# Altium PCB Video_Processing_Board.PcbDoc (part 2 of 3) (continued)
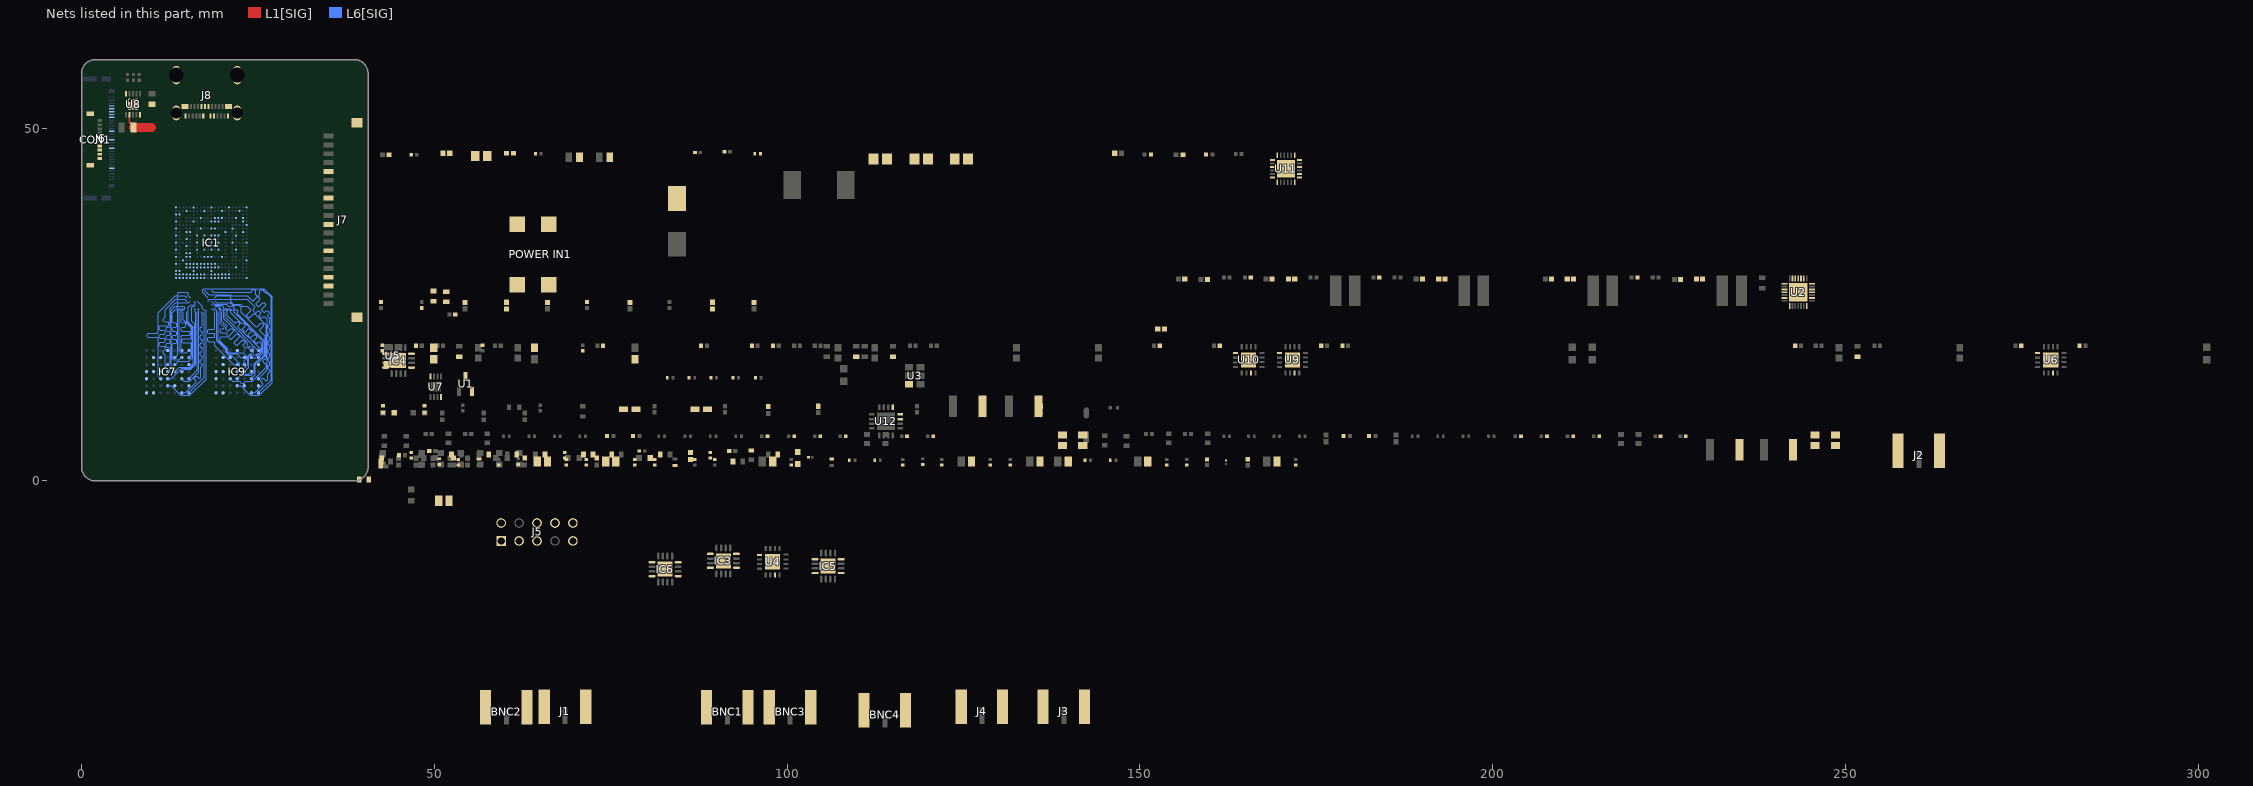
[diagram p2: the nets of this part, all layers, seen from the top]
## Part data (continued)
R4: library part CMP-2100-03662-2, "RES SMD 100K OHM 1% 1/10W 0603", Case Code (Imperial)=0603, Case Code (Metric)=1608, Max Operating Temperature=155°C, Max Power Dissipation=100mW, Min Operating Temperature=-55°C, Resistance=100kR, Resistance Tolerance=1%, Resistor Type="Thick Film", Temperature Coefficient=100ppm/°C, Voltage Rating=50V, Working Voltage=75V, Case/Package=0603, Construction=Rectangular, Depth=0.8mm, Features="Moisture Resistant", Height=0.45mm, Lead Free="Lead Free", Length=1.6mm, Military Standard=Not, Number of Pins=2, Number of Terminations=2, Packaging="Tape and Reel", Power Rating=100mW, REACH SVHC="No SVHC", RoHS Compliant=Yes, Series=RC, Technology="THICK FILM", Termination=SMD/SMT, Tolerance=1%, Voltage Rating (DC)=50V, Width=0.8mm
R5 R43 R49 R51: library part CMP-1659-00009-5, "RES 1K OHM 1% 1/10W 0603", Case Code (Imperial)=0603, Case Code (Metric)=1608, Max Operating Temperature=155°C, Max Power Dissipation=100mW, Min Operating Temperature=-55°C, Resistance=1kR, Resistance Tolerance=1%, Resistor Type="Thick Film", Temperature Coefficient=100ppm/°C, Voltage Rating=50V, Case/Package=0603, Construction=Rectangular, Contact Plating=Tin, Depth=0.8mm, Features="Moisture Resistant", Height=0.45mm, Lead Free="Lead Free", Length=1.6mm, Military Standard=Not, Number of Terminations=2, Packaging="Tape and Reel", Power Rating=100mW, Radiation Hardening=No, REACH SVHC="No SVHC", RoHS Compliant=Yes, Series=RC, Size Code=0603, Technology="THICK FILM", Termination=SMD/SMT, Tolerance=1%
R6 R63 R67 R79: library part CMP-2002-07353-1, Manufacturer="Yageo / Phycomp", Parameter 3=10k, Parameter 4=0402, Part Number=RC0402FR-0710KL
R7: library part CMP-2002-07501-1, Manufacturer="Yageo / Phycomp", Parameter 3=20k, Parameter 4=0402, Part Number=RC0402FR-0720KL
R8: Package=None, Availability=Unavailable, MP=RN73H1ETTP1452F25, Parameter 1=14.5k, Parameter 2=0402, Parameter 3=14.5k, Parameter 4=0402, Price=None
R10 R55: library part CMP-2002-07533-1, Manufacturer=Yageo, Parameter 3=24.3k, Parameter 4=0402, Part Number=RC0402FR-0724K3L
R12: library part CMP-2000-06942-1, "Chip Resistor, 4.7 KOhm, +/- 1%, 0.1 W, -55 to 155 degC, 0603 (1608 Metric), RoHS, Tape and Reel", Case Code - in=0603, Case Code - mm=1608, Manufacturer=Yageo, Operating Temperature Range=-55Cto+155C, Package Description="2-Pin Surface Mount Device, Body 1.6 x 0.8 mm", Power Rating=100mW, Resistance=4.7kOhms, Temperature Coefficient=100PPM/C, Tolerance=1%, Voltage Rating=50V, Datasheet URL=http://www.yageo.com/documents/recent/PYu-RC_Group_51_RoHS_L_7.pdf, Datasheet Version="Rev. 7, 05/2017", Manufacturer URL=http://www.yageo.com/, Mounting Technology=SurfaceMount, Package Reference=0603, Packaging=Reel, Product=ThickFilmResistorsGeneralPurpose, Series=RC, Termination Style=SMD/SMT
R13 R14 R16 R17 R34 R39 R47 R48: library part ERJ3EK, "Precision Thick Film Chip Resistor, 10 Ohm to 1M Ohm Range, 1% and 0.5% Tolerance, 0603 Size, 0.063 W", PackageDocument=Mar-2003, Code_IPC="1608 [0603]", ComponentLink1Description="Manufacturer Link", ComponentLink1URL=http://www.panasonic.com/industrial/components/resistive_products.htm, ComponentLink2Description=Datasheet, ComponentLink2URL=http://www.panasonic.com/industrial/components/pdf/AOA0000CE2.pdf, LatestRevisionDate=19-Mar-2004, LatestRevisionNote="Silkscreen size reduced.", PackageReference=3-0603, Published=17-Dec-2003, Publisher="Altium Limited", Simulation ModelName=RESISTOR, Simulation PortMap=(1:1),(2:2)
R15 R25 R28 R38 R40 R50: library part CMP-1011-00001-2, Manufacturer="Yageo / Phycomp", Part Number=RC0402JR-070RL
R18 R19 R32 R33: library part CMP-2000-00180-1, Manufacturer=Panasonic, Part Number=ERJ-3EKF1001V
R20 R23 R24 R26 R27 R29 R30 R31: library part CMP-2002-05954-1, Manufacturer=Multicomp, Part Number=MC00625W0402115R
R21 R22 R35 R37: library part CMP-2002-01061-2, "RES SMD 75 OHM 1% 1/10W 0402", Case Code (Imperial)=0402, Case Code (Metric)=1005, Max Operating Temperature=155°C, Max Power Dissipation=100mW, Min Operating Temperature=-55°C, Package Quantity=1, Resistance Tolerance=1%, Resistor Type="Thick Film", Temperature Coefficient=100ppm/°C, Voltage Rating=50V, Case/Package=0402, Construction=Rectangular, Contact Plating=Tin, Depth=0.5mm, Features="Automotive AEC-Q200", Height=0.35mm, Lead Free="Lead Free", Length=1mm, Military Standard=Not, Mount="Surface Mount", Number of Terminations=2, Packaging="Tape and Reel", Power Rating=100mW, Radiation Hardening=No, REACH SVHC="No SVHC", Resistance=75R, RoHS Compliant=Yes, Series=ERJ, Size Code=0402, Technology="THICK FILM", Termination=SMD/SMT, Tolerance=1%, Voltage Rating (DC)=50V, Width=0.02inch
R36 R42 R44 R45 R46 R58 R59 RISE0 RISE1 RISE2 RISE3: library part CMP-2100-03664-2, "RES 10K OHM 1% 1/10W 0603", Case Code (Imperial)=0603, Case Code (Metric)=1608, Max Operating Temperature=155°C, Max Power Dissipation=100mW, Min Operating Temperature=-55°C, Resistance=10kR, Resistance Tolerance=1%, Resistor Type="Thick Film", Temperature Coefficient=100ppm/°C, Voltage Rating=75V, Voltage Rating (DC)=50V, Case/Package=0603, Construction=Rectangular, Depth=0.8mm, Features="Moisture Resistant", Height=0.45mm, Lead Free="Lead Free", Lead Pitch=0.3mm, Length=1.6mm, Military Standard=Not, Number of Pins=2, Number of Terminations=2, Packaging="Tape and Reel", Power Rating=100mW, RoHS Compliant=Yes, Series=RC, Size Code=0603, Termination=SMD/SMT, Tolerance=1%, Weight=7.1E-05oz, Width=0.8mm
R41: library part CMP-2002-07520-1, Manufacturer="Yageo / Phycomp", Part Number=RC0402FR-0722RL
R52 R53: library part CMP-2000-00179-1, Manufacturer=Panasonic, Manufacturer Part Number=ERJ3EKF1000V, Part Number=ERJ-3EKF1000V
R54: library part CMP-2001-04896-1, Manufacturer="Vishay Dale", Part Number=CRCW08050000Z0EA
R57 R61 R62: library part CMP-2002-01154-4, "Chip Resistor, 4.7 KOhm, +/- 1%, 0.1 W, -55 to 155 degC, 0402 (1005 Metric), RoHS, Tape and Reel", Case Code (Imperial)=0402, Case Code (Metric)=1005, Max Operating Temperature="155 degC", Min Operating Temperature="-55 degC", Package Quantity=1, PartNumber=ERJ-2RKF4701X, Power Rating="100 mW", Resistance="4.7 KOhm", Tolerance=1%, Voltage Rating="50 V", Case\/Package=0402, ComponentLink1Description="Manufacturer URL", ComponentLink1URL=http://www.panasonic.com/, ComponentLink2Description=Datasheet, ComponentLink2URL=http://industrial.panasonic.com/cdbs/www-data/pdf/RDA0000/AOA0000C86.pdf, DatasheetVersion=04/2015, Height="0.35 mm", Length="1 mm", Mount="Surface Mount", Mounting Technology="Surface Mount", PackageDescription="2-Pin Surface Mount Device, Body 1 x 0.5 mm", PackageReference=0402, Packaging="Cut Tape", Pins=2, Radiation Hardening=No, REACH SVHC=Yes, RoHSCompliant=true, Width="0.5 mm"
R60: library part CMP-2100-03667-1, "Chip Resistor, 0 Ohm, +/- 5%, 0.1 W, -55 to 155 degC, 0603 (1608 Metric), RoHS, Tape and Reel", Case Code (Imperial)=0603, Case Code (Metric)=1608, Manufacturer=Yageo, Max Operating Temperature=155degC, Min Operating Temperature=-55degC, Package Description="2-Pin Surface Mount Device, Body 1.6 x 0.8 mm", Package Quantity=5000, Power Rating=100mW, Resistance=0mOhm, Temperature Coefficient=200ppm/degreesC, Tolerance=5%, Voltage Rating=50V, Case/Package=0603, Composition=ThickFilm, Contact Plating=Tin, Datasheet URL=http://www.yageo.com/NewPortal/yageodocoutput?fileName=/pdf/R-Chip/PYu-RC_Group_51_RoHS_L_5.pdf, Datasheet Version="Rev. 5, 10/2016", Depth=0.8mm, Height=0.45mm, Lead Free=LeadFree, Length=1.6mm, Manufacturer URL=http://www.yageo.com/, Military Standard=Not, Number of Pins=2, Package Reference=0603, Packaging=TapeandReel, Radiation Hardening=No, REACH SVHC=NoSVHC, RoHSCompliant=true, Termination=SMD/SMT, Voltage Rating (DC)=50V, Width=0.8mm
R64: library part CMP-2002-08356-2, "RES Thick Film, 20kΩ, 1%, 0.063W, 100ppm/°C, 0402", Case Code (Imperial)=0402, Case Code (Metric)=1005, Max Operating Temperature=155°C, Max Power Dissipation=63mW, Min Operating Temperature=-55°C, Package Quantity=10, Resistance=20kR, Temperature Coefficient=100ppm/°C, Tolerance=1%, Voltage Rating=50V, Case/Package=0402, Composition="Thick Film", Contact Plating=Tin, Depth=0.5mm, Features="Automotive AEC-Q200", Height=0.35mm, Lead Free="Lead Free", Length=1mm, Military Standard=Not, Mount="Surface Mount", Number of Pins=2, Number of Terminations=2, Packaging="Tape and Reel", Power Rating=63mW, Radiation Hardening=No, Termination=SMD/SMT, Voltage Rating (DC)=50V, Weight=2.3E-05oz, Width=0.5mm, Working Voltage=50V
R65: library part CMP-2002-08135-2, "RES SMD 10K OHM 1% 1/16W 0402", Case Code (Imperial)=0402, Case Code (Metric)=1005, Max Operating Temperature=155°C, Max Power Dissipation=63mW, Min Operating Temperature=-55°C, Package Quantity=10, Resistance=10kR, Temperature Coefficient=100ppm/°C, Tolerance=1%, Voltage Rating=50V, Case/Package=0402, Composition="Thick Film", Contact Plating=Tin, Depth=0.5mm, Features="Automotive AEC-Q200", Height=0.35mm, Lead Free="Lead Free", Length=1mm, Military Standard=Not, Mount="Surface Mount", Number of Pins=2, Number of Terminations=2, Packaging="Tape and Reel", Power Rating=63mW, Radiation Hardening=No, Termination=SMD/SMT, Voltage Rating (DC)=50V, Weight=2.3E-05oz, Width=0.02inch
R66: library part CMP-2002-00957-2, "RES SMD 47.5K OHM 1% 1/10W 0402", Case Code (Imperial)=0402, Case Code (Metric)=1005, Max Operating Temperature=155°C, Max Power Dissipation=100mW, Min Operating Temperature=-55°C, Package Quantity=1, Resistance=47.5kR, Resistance Tolerance=1%, Resistor Type="Thick Film", Temperature Coefficient=100ppm/°C, Voltage Rating=50V, Case/Package=0402, Construction=Rectangular, Contact Plating=Tin, Depth=0.5mm, Features="Automotive AEC-Q200", Height=0.35mm, Lead Free="Lead Free", Length=1mm, Military Standard=Not, Mount="Surface Mount", Number of Terminations=2, Packaging="Tape and Reel", Power Rating=100mW, REACH SVHC="No SVHC", RoHS Compliant=Yes, Series=ERJ, Size Code=0402, Technology="THICK FILM", Termination=SMD/SMT, Tolerance=1%, Voltage Rating (DC)=50V, Width=0.02inch
R68: library part CMP-2004-02509-1, Manufacturer=Multicomp, Part Number=MCRE000141
R69: library part CMP-2001-00784-1, Manufacturer=Panasonic, Part Number=ERA6AEB2551V
R70: library part CMP-2002-07038-1, Manufacturer="Yageo / Phycomp", Part Number=RC0402FR-0716KL
R71: library part CMP-1011-00207-2, "RES Thick Film, 2.2Ω, 1%, 0.063W, 100ppm/°C, 0402", Case Code (Imperial)=0402, Case Code (Metric)=1005, Max Operating Temperature=155°C, Max Power Dissipation=63mW, Min Operating Temperature=-55°C, Package Quantity=10, Resistance=2.2R, Temperature Coefficient=100ppm/°C, Tolerance=1%, Voltage Rating=50V, Case/Package=0402, Composition="Thick Film", Contact Plating=Tin, Depth=0.5mm, Features="Automotive AEC-Q200", Height=0.35mm, Lead Free="Lead Free", Length=1mm, Military Standard=Not, Number of Pins=2, Number of Terminations=2, Packaging="Tape and Reel", Power Rating=63mW, Radiation Hardening=No, Termination=SMD/SMT, Voltage Rating (DC)=50V, Weight=2.3E-05oz, Width=0.5mm
R72 R73 R74 R75 R76 R77 R78: library part CMP-2002-07697-1, Manufacturer="Yageo / Phycomp", Part Number=RC0402FR-07470RL
R80 R81: library part CMP-1011-00001-2, Manufacturer="Yageo / Phycomp", Part Number=RC0402JR-070RL
R82 R83: library part CMP-2002-07010-1, Manufacturer="Yageo / Phycomp", Part Number=RC0402FR-07680RL
R84 R85: library part CMP-03412-002989-1, "RES 5.11K OHM 1/16W .1% SMD 0402", Manufacturer=Yageo, Package=RT0402, Power Rating=0.063W, Resistance=5.11KΩ, Temperature="-55°C to +155°C", Temperature Coefficient="50 ppm/°C", Temperature Range High=+155°C, Temperature Range Low=-55°C, Tolerance=0.001, Voltage Rating=50V, Automotive=No, Category=Res, ComponentLink2Description=Datasheet, ComponentLink2URL=http://www.yageo.com/documents/recent/PYu-RT_1-to-0.01_RoHS_L_9.pdf, Composition="Thin Film", Device Class L1="Passive Components", Device Class L2=Resistors, Device Class L3="Chip SMD Resistors", Digikey Description="RES 5.11K OHM 1/16W .1% SMD 0402", Footprint Url=http://www.yageo.com/exep/pages/download/literatures/PYu-R_Mount_10.pdf, Height=0.35mm, Ipc Land Pattern Name=RESC10050X30, Lead Free=Yes, Manufacturer Part Number=RT0402BRE075K11L, Octopart=https://octopart.com/rt0402bre075k11l-yageo-1442753, RoHS=TRUE, Series=RT
RAMP0 RAMP1 RAMP2 RAMP3: library part CMP-1659-00042-1, "Chip Resistor, 1.2 KOhm, +/- 1%, 0.1 W, -55 to 155 degC, 0603 (1608 Metric), RoHS, Tape and Reel", Case Code (Imperial)=0603, Case Code (Metric)=1608, Max Operating Temperature="155 degC", Min Operating Temperature="-55 degC", Package Quantity=5000, Power Rating="100 mW", Resistance="825 kohm", Tolerance=1%, Voltage Rating="50 V", Case\Package=0603, ComponentLink1Description="Manufacturer URL", ComponentLink1URL=http://www.yageo.com/, ComponentLink2Description=Datasheet, ComponentLink2URL=http://www.yageo.com/documents/recent/PYu-RC_Group_51_RoHS_L_04.pdf, DatasheetVersion="Rev. 4, 02/2016", Height="0.45 mm", Length="1.6 mm", PackageDescription="2-Pin Surface Mount Device, Body 1.6 x 0.8 mm", PackageReference=0603, Packaging="Tape and Reel", RoHSCompliant=true, Width="0.8 mm"
U2: "No Description Available", Copyright="Copyright (C) 2021 Accelerated Designs. All rights reserved", RefDes=RefDes, Type=Type
U3 U5: library part AX3DAF1-148.5000T, "148.5 MHz XO (Standard) LVDS Oscillator 3.3V Enable/Disable 6-SMD, No Lead", ComponentLink1Description=Datasheet, ID=110, Mounting_Type=SMT, Part_Name=AX3DAF1-148.5000T3, Part_Number=J00001
U4 U6 U9 U10: library part Component_1
U8: library part CMP-06317-000033-1, "IC CURRENT SENSE MON SGL 10VDFN", Case/Package=DFN, Max Operating Temperature=85°C, Max Supply Current=900uA, Max Supply Voltage=5.5V, Min Operating Temperature=-40°C, Min Supply Voltage=3V, Nominal Supply Current=360uA, Package Quantity=4000, Accuracy=1%, Common Mode Rejection Ratio=80dB, Height=0.85mm, Length=3.1mm, Mount="Surface Mount", Number of Pins=10, Output Type=Digital, Packaging="Tape and Reel", Quiescent Current=360uA, Radiation Hardening=No, REACH SVHC="No SVHC", RoHS Compliant=Yes, Series=-, Supply Current=360uA, Width=3.1mm
U11: "No Description Available", Mfr_Name=Microchip, RefDes=RefDes, Type=Type
U12: library part CMP-06284-000031-1, "IC USB TO I2C/UART 16QFN", Case/Package=VQFN, Max Operating Temperature=85°C, Min Operating Temperature=-40°C, Operating Supply Current=13mA, Interface=I2C, Packaging=Rail/Tube, RoHS Compliant=Yes
CON1 IC1: ComponentLink1Description=Datasheet, ID=110, Mounting_Type=SMT, Part_Name=Jumper, Part_Number=J00001

## Via types
v1: diameter 0.6, hole 0.3, L1[SIG] to L6[SIG], 4 vias

## Nets (pads, with @x,y where several pads share a name; then routed paths per layer and width w, separated by ;. In a path a pad name is that pad's centre, name@x,y a point inside that pad or via, vN(x,y) a via of type N, cw(c..) or ccw(c..) an arc to the next point about the centre after c; other vN are vias at no path point)
1PV8: C118.2 C119.2 C120.1 C121.2 C122.2 C123.1 IC1.B3 IC1.B8 IC1.B13 IC1.B18 IC1.E11 IC1.E16 IC1.R12 IC1.U11 IC1.U16 IC1.Y8 IC1.Y13 IC1.Y18
3P3V: C13.2 C55.2 C56.1 C124.2 C125.2 C126.1 C127.2 C128.2 C129.1 IC1.D2 IC1.G5 IC1.G11 IC1.H2 IC1.J10 IC1.L5 J5.6 R4.2 R5.2 R12.2 R44.2 R45.2 R46.2 U1.2 U7.8
5V0: C1.1 C2.1 C4.1 C6.1 C8.1 C65.1 C68.1 C87.1 C133.1 C134.1 C135.2 C145.1 C146.1 D1.2 J6.27 R54.2 R65.2 R66.2 R67.2 R71.1 U2.1 U2.6 U2.8 U2.14 U2.16 U2.21 U2.23 U2.26 U2.27 U8.2 U8.10 U11.1 U11.6 U11.13 U11.18 | length 4.6
  L1[SIG] w0.2: U8.2@6.8,51.9 6.8,50.9 7.35,50.35 R54.2@7.35,50.1
  L1[SIG] w1.3: R54.2@7.35,50.1 9.9,50.1
28V: "POWER IN1.1" C19.2 C20.2 C35.2 C36.2 L5.2 L6.2 L7.2 L8.2
CC1: J8.A5 R84.2
CC2: J8.B5 R85.2
Data_N: D9.2 J8.A7 J8.B7 U12.11
Data_P: D8.2 J8.A6 J8.B6 U12.12
DEVRST_N: C14.1 IC1.E10 R4.1 R15.1
DRAM0_CK_N: IC1.Y17 IC7.B2 R52.1
DRAM0_CK_P: IC1.AA17 IC7.B3 R52.2
DRAM0_CS#: IC1.R18 IC7.A4
DRAM0_DQ0: IC1.V17 IC7.D4 | length 12.2
  L6[SIG] w0.07: IC7.D4@12.221,15.492 12.721,15.992 12.721,24.171 13.298,24.747 13.497,24.747 13.65,24.9 13.65,25.1 13.803,25.253 15.153,25.253 15.4,25.5
DRAM0_DQ1: IC1.V18 IC7.D3 | length 13.9
  L6[SIG] w0.07: IC7.D3@12.221,16.492 12.565,16.836 12.565,18.809 12.449,18.925 12.099,18.925 11.984,19.04 11.984,19.387 12.099,19.503 12.449,19.503 12.565,19.618 12.565,19.965 12.449,20.081 12.099,20.081 11.984,20.196 11.984,20.543 12.099,20.659 12.449,20.659 12.565,20.774 12.565,21.121 12.449,21.237 12.099,21.237 11.984,21.352 11.984,21.699 12.099,21.815 12.449,21.815 12.565,21.93 12.565,24.514 13.298,25.247 13.497,25.247 13.647,25.398 13.647,25.597 13.798,25.747 14.653,25.747 14.9,25.5
DRAM0_DQ2: IC1.U17 IC7.C5 | length 18.6
  L6[SIG] w0.07: IC7.C5@11.221,14.492 10.877,14.836 10.877,20.243 10.762,20.359 9.462,20.359 9.346,20.475 9.346,20.821 9.462,20.937 10.762,20.937 10.877,21.053 10.877,23.827 13.298,26.247 13.497,26.247 13.647,26.398 13.647,26.597 13.798,26.747 15.002,26.747 15.153,26.597 15.153,26.247 15.4,26
DRAM0_DQ3: IC1.V16 IC7.D5 | length 14.1
  L6[SIG] w0.07: IC7.D5@12.221,14.492 12.735,14.492 14.229,15.986 15.413,15.986 16.015,16.588 16.015,22.28 15.653,22.642 15.653,24.602 15.8,24.75 16,24.75 16.147,24.898 16.147,25.253 15.9,25.5
DRAM0_DQ4: IC1.V15 IC7.D6 | length 18.6
  L6[SIG] w0.07: IC7.D6@12.221,13.492 12.735,13.492 14.079,12.148 15.363,12.148 17.647,14.432 17.647,24.102 17.497,24.253 17.298,24.253 17.147,24.403 17.147,24.753 16.4,25.5
DRAM0_DQ5: IC1.W16 IC7.E4 | length 12.3
  L6[SIG] w0.07: IC7.E4@13.221,15.492 13.865,16.136 15.351,16.136 15.865,16.65 15.865,21.815 15.153,22.527 15.153,24.602 15.55,25 15.9,25
DRAM0_DQ6: IC1.AA18 IC7.E3 | length 9.7
  L6[SIG] w0.07: IC7.E3@13.221,16.492 13.727,16.998 15.213,16.998 15.715,17.5 15.715,21.753 14.9,22.567 14.9,24
DRAM0_DQ7: IC1.Y19 IC7.E2 | length 7.7
  L6[SIG] w0.07: IC7.E2@13.221,17.492 13.65,17.921 13.65,24.1 13.803,24.253 14.105,24.253 14.352,24.5 14.4,24.5
DRAM0_DQ8: IC1.Y15 IC7.F5 | length 12.3
  L6[SIG] w0.07: IC7.F5@14.221,14.492 14.565,14.148 15.363,14.148 16.647,15.432 16.647,24.253 16.4,24.5
DRAM0_DQ9: IC1.Y21 IC7.F1 | length 11.1
  L6[SIG] w0.07: 13.4,24.5 13.448,24.5 13.695,24.747 14.502,24.747 14.647,24.602 14.647,24.398 14.498,24.249 14.299,24.249 14.15,24.1 14.15,22.508 14.266,22.393 14.65,22.393 14.766,22.277 14.766,21.93 14.65,21.815 14.266,21.815 14.15,21.699 14.15,21.352 14.266,21.237 15.299,21.237 15.415,21.121 15.415,20.774 15.299,20.659 14.266,20.659 14.15,20.543 14.15,18.563 IC7.F1@14.221,18.492
DRAM0_DQ10: IC1.AA14 IC7.F7 | length 15.9
  L6[SIG] w0.07: IC7.F7@14.221,12.492 14.707,12.492 16.228,14.013 16.228,14.176 15.997,14.407 15.997,14.57 16.243,14.816 16.406,14.816 16.637,14.585 16.8,14.585 16.923,14.708 16.923,16.119 17.127,16.324 17.127,16.497 17.011,16.613 16.916,16.613 16.8,16.728 16.8,17.075 16.916,17.191 17.011,17.191 17.127,17.306 17.127,17.653 17.011,17.769 16.916,17.769 16.8,17.884 16.8,18.231 16.916,18.347 17.011,18.347 17.127,18.462 17.127,18.809 17.011,18.925 16.916,18.925 16.8,19.04 16.8,19.387 16.916,19.503 17.011,19.503 17.127,19.618 17.127,19.965 17.011,20.081 16.916,20.081 16.8,20.196 16.8,20.543 16.916,20.659 17.011,20.659 17.127,20.774 17.127,21.121 17.011,21.237 16.916,21.237 16.8,21.352 16.8,21.699 16.916,21.815 17.011,21.815 17.127,21.93 17.127,23.773 16.9,24
DRAM0_DQ11: IC1.Y20 IC7.F2 | length 12.3
  L6[SIG] w0.07: 13.9,24.5 13.852,24.5 13.6,24.247 13.298,24.247 12.871,23.821 12.871,22.508 12.987,22.393 13.384,22.393 13.5,22.277 13.5,21.93 13.384,21.815 12.987,21.815 12.871,21.699 12.871,21.352 12.987,21.237 13.384,21.237 13.5,21.121 13.5,20.774 13.384,20.659 12.987,20.659 12.871,20.543 12.871,20.196 12.987,20.081 13.384,20.081 13.5,19.965 13.5,19.618 13.384,19.503 12.987,19.503 12.871,19.387 12.871,17.356 13.079,17.148 13.877,17.148 IC7.F2@14.221,17.492
DRAM0_DQ12: IC1.AA15 IC7.G5 | length 10
  L6[SIG] w0.07: IC7.G5@15.221,14.492 16.4,15.671 16.4,24
DRAM0_DQ13: IC1.AA20 IC7.G1 | length 7.2
  L6[SIG] w0.07: 13.9,24 13.877,23.977 13.877,18.35 14.079,18.148 14.877,18.148 IC7.G1@15.221,18.492
DRAM0_DQ14: IC1.AA13 IC7.G7 | length 12.4
  L6[SIG] w0.07: IC7.G7@15.221,12.492 17.4,14.671 17.4,24
DRAM0_DQ15: IC1.AA19 IC7.G2 | length 9.4
  L6[SIG] w0.07: 14.4,24 14.4,22.855 15.565,21.69 15.565,20.263 15.449,20.148 14.416,20.148 14.3,20.032 14.3,19.685 14.416,19.57 15.449,19.57 15.565,19.454 15.565,17.836 IC7.G2@15.221,17.492
DRAM0_RESET#: IC1.R17 IC7.A5
DRAM0_RWDS0: IC1.U18 IC7.C4 | length 18.6
  L6[SIG] w0.07: IC7.C4@11.221,15.492 11.834,16.105 11.834,17.81 11.718,17.925 11.68,17.925 11.565,18.041 11.565,18.388 11.68,18.503 11.718,18.503 11.834,18.619 11.834,18.966 11.718,19.081 11.143,19.081 11.027,19.197 11.027,19.544 11.143,19.659 11.718,19.659 11.834,19.775 11.834,20.122 11.718,20.237 11.143,20.237 11.027,20.353 11.027,20.7 11.143,20.815 11.718,20.815 11.834,20.931 11.834,21.278 11.718,21.393 11.143,21.393 11.027,21.509 11.027,21.856 11.143,21.971 12.22,21.971 12.335,22.087 12.335,22.434 12.22,22.549 11.718,22.549 11.603,22.665 11.603,23.012 11.834,23.243 11.834,24.283 13.298,25.747 13.497,25.747 13.647,25.898 13.647,26.097 13.798,26.247 14.653,26.247 14.9,26
DRAM0_RWDS1: IC1.Y16 IC7.F4 | length 10.5
  L6[SIG] w0.07: IC7.F4@14.221,15.492 14.565,15.836 15.475,15.836 16.165,16.525 16.165,23.886 16.147,23.903 16.147,24.253 15.9,24.5
DRAM1_CK_N: IC1.U15 IC9.B2 R53.1
DRAM1_CK_P: IC1.U14 IC9.B3 R53.2
DRAM1_CS#: IC1.Y14 IC9.A4
DRAM1_DQ0: IC1.Y11 IC9.D4 | length 11.3
  L6[SIG] w0.07: 18.4,24.5 18.647,24.253 18.997,24.253 19.15,24.1 19.15,22.971 19.15,19.907 20.425,18.632 20.425,18.236 20.812,17.848 21.208,17.848 22.422,16.634 22.422,15.836 IC9.D4@22.079,15.492
DRAM1_DQ1: IC1.AA10 IC9.D3 | length 12.6
  L6[SIG] w0.07: 18.9,24 18.9,21.786 18.9,21.612 18.784,21.497 18.016,21.497 17.9,21.381 17.9,21.034 18.016,20.919 18.784,20.919 18.9,20.803 18.9,20.456 18.784,20.341 18.016,20.341 17.9,20.225 17.9,19.878 18.016,19.763 18.784,19.763 18.9,19.647 18.9,19.185 21.593,16.492 IC9.D3@22.079,16.492
DRAM1_DQ2: IC1.V12 IC9.C5 | length 24.7
  L6[SIG] w0.07: 17.9,25.5 18.147,25.747 21.002,25.747 21.153,25.597 21.153,25.398 21.476,25.075 22.476,25.075 22.798,24.753 23.497,24.753 23.971,24.279 23.971,24.115 23.427,23.571 23.427,23.408 23.673,23.163 23.836,23.163 24.38,23.706 24.543,23.706 26.172,22.077 26.172,17.371 26.057,17.256 25.868,17.256 25.753,17.14 25.753,16.793 25.868,16.678 26.057,16.678 26.172,16.562 26.172,16.1 24.221,14.148 23.272,14.148 23.156,14.033 23.156,13.951 23.041,13.836 22.694,13.836 22.578,13.951 22.578,14.033 22.463,14.148 21.422,14.148 IC9.C5@21.079,14.492
DRAM1_DQ3: IC1.V11 IC9.D5 | length 18.1
  L6[SIG] w0.07: 18.4,25.5 18.873,25.027 20.523,25.027 20.798,24.753 21.497,24.753 21.647,24.602 21.647,24.403 21.8,24.25 22,24.25 22.153,24.097 22.153,23.61 25.872,19.89 25.872,17.8 25.221,17.148 25.037,17.148 24.476,16.587 24.476,15.403 24.065,14.992 22.579,14.992 IC9.D5@22.079,14.492
DRAM1_DQ4: IC1.U12 IC9.D6 | length 30.2
  L6[SIG] w0.07: 17.9,26 17.153,26.747 17.153,27.102 17.298,27.247 25.856,27.247 27.015,26.088 27.015,13.943 25.221,12.148 23.936,12.148 22.593,13.492 IC9.D6@22.079,13.492
DRAM1_DQ5: IC1.W11 IC9.E4 | length 15.6
  L6[SIG] w0.07: 18.4,25 18.702,25 18.815,24.887 19.862,24.887 20.147,24.602 20.147,24.403 20.3,24.25 20.5,24.25 20.653,24.097 20.653,23.404 21.662,22.394 21.826,22.394 22.017,22.586 22.18,22.586 22.426,22.34 22.426,22.177 22.234,21.986 22.234,21.822 25.422,18.634 25.422,18.35 25.124,18.052 24.94,18.052 24.755,17.867 23.968,17.867 23.722,17.622 23.722,16.136 IC9.E4@23.079,15.492
DRAM1_DQ6: IC1.Y9 IC9.E3 | length 13.6
  L6[SIG] w0.07: 19.4,24.5 19.4,24.452 19.647,24.205 19.647,22.261 19.763,22.146 20.097,22.146 20.213,22.03 20.213,21.683 20.097,21.568 19.763,21.568 19.647,21.452 19.647,21.105 19.763,20.99 20.532,20.99 20.647,20.874 20.647,20.527 20.532,20.412 19.763,20.412 19.647,20.296 19.647,19.834 20.735,18.746 20.735,18.35 20.936,18.148 22.13,18.148 22.908,18.148 23.422,17.634 23.422,17.35 23.079,17.006 IC9.E3@23.079,16.492
DRAM1_DQ7: IC1.AA9 IC9.E2 | length 9
  L6[SIG] w0.07: 19.4,24 19.4,19.869 20.585,18.684 20.585,18.288 20.874,17.998 22.068,17.998 22.574,17.492 IC9.E2@23.079,17.492
DRAM1_DQ8: IC1.V10 IC9.F5 | length 18.3
  L6[SIG] w0.07: 18.9,25.5 19.153,25.247 21.105,25.247 21.418,24.935 22.315,24.935 22.653,24.597 22.653,23.898 24.715,21.836 24.878,21.836 25.422,22.379 25.585,22.379 25.83,22.134 25.83,21.971 25.287,21.427 25.287,21.264 26.022,20.528 26.022,17.738 25.283,16.998 25.099,16.998 24.626,16.525 24.626,15.039 IC9.F5@24.079,14.492
DRAM1_DQ9: IC1.AA8 IC9.F1 | length 13.1
  L6[SIG] w0.07: 19.9,24 19.9,22.671 20.566,22.005 20.566,21.842 20.445,21.721 20.445,21.557 20.69,21.312 20.853,21.312 21.142,21.6 21.305,21.6 21.551,21.355 21.551,21.192 20.84,20.481 20.84,20.317 21.085,20.072 21.248,20.072 21.959,20.783 22.123,20.783 22.368,20.538 22.368,20.374 21.657,19.663 21.657,19.5 21.902,19.254 22.066,19.254 22.777,19.966 22.94,19.966 23.185,19.72 23.185,19.557 22.924,19.296 22.924,19.132 23.17,18.887 23.333,18.887 23.427,18.981 23.59,18.981 IC9.F1@24.079,18.492
DRAM1_DQ10: IC1.R13 IC9.F7 | length 29.5
  L6[SIG] w0.07: 17.4,27 18.013,26.387 21.163,26.387 21.298,26.253 23.497,26.253 24.181,25.568 24.345,25.568 24.888,26.112 25.052,26.112 25.297,25.867 25.297,25.703 24.753,25.16 24.753,24.996 24.999,24.751 25.162,24.751 25.706,25.295 25.869,25.295 26.115,25.049 26.115,24.886 25.571,24.342 25.571,24.179 25.816,23.934 25.98,23.934 26.175,24.129 26.339,24.129 26.584,23.884 26.584,23.721 26.388,23.525 26.388,23.361 26.715,23.034 26.715,22.272 26.6,22.157 26.588,22.157 26.472,22.041 26.472,21.694 26.588,21.579 26.6,21.579 26.715,21.463 26.715,21.116 26.6,21.001 26.588,21.001 26.472,20.885 26.472,20.538 26.588,20.423 26.6,20.423 26.715,20.307 26.715,19.96 26.6,19.845 26.588,19.845 26.472,19.729 26.472,19.382 26.588,19.267 26.6,19.267 26.715,19.151 26.715,18.804 26.6,18.689 26.588,18.689 26.472,18.573 26.472,18.226 26.588,18.111 26.6,18.111 26.715,17.995 26.715,17.648 26.6,17.533 26.588,17.533 26.472,17.417 26.472,17.07 26.588,16.955 26.6,16.955 26.715,16.839 26.715,16.492 26.6,16.377 26.588,16.377 26.472,16.261 26.472,15.914 26.588,15.799 26.6,15.799 26.715,15.683 26.715,15.51 26.404,15.198 26.404,14.331 26.281,14.209 26.118,14.209 25.781,14.545 25.618,14.545 25.373,14.3 25.373,14.136 25.709,13.8 25.709,13.636 24.565,12.492 IC9.F7@24.079,12.492
DRAM1_DQ11: IC1.Y7 IC9.F2 | length 14
  L6[SIG] w0.07: 20.4,24.5 20.448,24.5 20.695,24.253 20.997,24.253 21.153,24.097 21.153,23.825 22.63,22.348 22.793,22.348 22.81,22.365 22.973,22.365 23.218,22.12 23.218,21.956 22.847,21.585 22.847,21.422 23.092,21.176 23.256,21.176 23.627,21.548 23.791,21.548 24.036,21.302 24.036,21.139 23.665,20.768 23.665,20.604 23.91,20.359 24.073,20.359 24.445,20.73 24.608,20.73 24.853,20.485 24.853,20.321 24.482,19.95 24.482,19.787 24.727,19.542 24.891,19.542 25.082,19.733 25.245,19.733 25.572,19.406 25.572,18.288 25.186,17.902 25.002,17.902 24.593,17.492 IC9.F2@24.079,17.492
DRAM1_DQ12: IC1.U10 IC9.G5 | length 19.6
  L6[SIG] w0.07: 18.9,26 19.147,26.247 21.002,26.247 21.153,26.097 21.153,25.898 21.303,25.747 23.502,25.747 24.562,24.687 24.562,24.524 24.325,24.286 24.325,24.123 24.57,23.878 24.734,23.878 24.971,24.115 25.135,24.115 25.38,23.87 25.38,23.706 25.184,23.511 25.184,23.347 25.429,23.102 25.593,23.102 25.789,23.298 25.952,23.298 26.322,22.927 26.322,15.736 IC9.G5@25.079,14.492
DRAM1_DQ13: IC1.AA7 IC9.G1 | length 7.4
  L6[SIG] w0.07: 20.4,24 20.4,23.171 IC9.G1@25.079,18.492
DRAM1_DQ14: IC1.R11 IC9.G7 | length 25
  L6[SIG] w0.07: 18.4,27 18.65,26.75 24.003,26.75 24.118,26.866 24.118,26.992 24.234,27.107 24.581,27.107 24.696,26.992 24.696,26.368 24.812,26.252 25.159,26.252 25.274,26.368 25.274,26.992 25.39,27.107 25.737,27.107 25.852,26.992 25.852,26.866 25.968,26.75 26.141,26.75 26.865,26.026 26.865,14.279 IC9.G7@25.079,12.492
DRAM1_DQ15: IC1.Y6 IC9.G2 | length 9.5
  L6[SIG] w0.07: 20.9,24.5 20.948,24.5 21.195,24.253 21.497,24.253 21.653,24.097 21.653,23.898 25.722,19.828 25.722,18.136 IC9.G2@25.079,17.492
DRAM1_RESET#: IC1.U13 IC9.A5
DRAM1_RWDS0: IC1.V13 IC9.C4
DRAM1_RWDS1: IC1.Y10 IC9.F4 | length 14.8
  L6[SIG] w0.07: 18.9,24.5 19.147,24.747 19.298,24.747 19.502,24.747 19.651,24.599 19.651,24.4 19.802,24.248 20.001,24.248 20.153,24.097 20.153,22.965 23.523,19.595 23.523,19.431 23.519,19.427 23.519,19.264 23.764,19.018 23.928,19.018 23.932,19.023 24.095,19.023 24.422,18.696 24.422,18.35 24.089,18.017 23.905,18.017 23.572,17.684 23.572,16.472 22.735,15.634 22.735,15.35 22.936,15.148 23.735,15.148 IC9.F4@24.079,15.492
FB_1V: C136.1 C141.2 R68.1 R69.2 R70.2 U11.14
GND: "POWER IN1.2" "POWER IN1.3" BNC1.2 BNC1.3 BNC2.2 BNC2.3 BNC3.2 BNC3.3 BNC4.2 BNC4.3 C1.2 C2.2 C3.2 C4.2 C5.2 C6.2 C7.2 C8.2 C9.2 C10.2 C11.2 C12.1 C13.1 C14.2 C15.1 C16.2 C19.1 C20.1 C21.2 C22.2 C23.2 C24.2 C25.2 C26.2 C35.1 C36.1 C37.2 C38.2 C39.2 C40.2 C41.2 C42.2 C53.1 C54.1 C55.1 C56.2 C57.1 C58.2 C63.1 C64.2 C65.2 C66.2 C67.2 C68.2 C69.2 C70.1 C71.1 C72.2 C73.2 C82.1 C83.1 C85.1 C86.2 C87.2 C88.1 C89.1 C90.1 C91.1 C92.1 C93.2 C94.1 C95.1 C96.2 C97.2 C98.1 C99.1 C100.1 C101.1 C102.1 C103.2 C104.1 C105.1 C106.2 C107.1 C108.2 C109.2 C110.2 C111.2 C112.1 C113.1 C114.2 C115.1 C116.1 C117.2 C118.1 C119.1 C120.2 C121.1 C122.1 C123.2 C127.1 C128.1 C129.2 C130.1 C131.1 C132.2 C133.2 C134.2 C135.1 C137.2 C138.1 C139.2 C140.2 C141.1 C142.2 C143.1 C144.1 C145.2 C146.2 C147.2 C148.2 C149.2 CON1.7 CON1.8 CON1.9 CON1.10 CON1.S1 CON1.S2 D8.1 D9.1 IC1.A1 IC1.A6 IC1.A11 IC1.A16 IC1.A21 IC1.AA1 IC1.AA6 IC1.AA11 IC1.AA16 IC1.AA21 IC1.C20 IC1.C21 IC1.D4 IC1.D9 IC1.D14 IC1.E21 IC1.F1 IC1.G14 IC1.G21 IC1.H7 IC1.H17 IC1.H18 IC1.J4 IC1.J9 IC1.J11 IC1.J13 IC1.J15 IC1.J21 IC1.K10 IC1.K12 IC1.K18 IC1.L1 IC1.L9 IC1.L11 IC1.L13 IC1.L15 IC1.L21 IC1.M10 IC1.M12 IC1.M18 IC1.N4 IC1.N9 IC1.N11 IC1.N13 IC1.N15 IC1.N21 IC1.P17 IC1.P18 IC1.R8 IC1.R21 IC1.T1 IC1.T19 IC1.U21 IC1.V4 IC1.V9 IC1.V14 IC1.W20 IC1.W21 IC3.1 IC3.4 IC3.9 IC3.12 IC3.17 IC4.1 IC4.4 IC4.9 IC4.12 IC4.17 IC5.1 IC5.4 IC5.9 IC5.12 IC5.17 IC6.1 IC6.4 IC6.9 IC6.12 IC6.17 IC7.A7 IC7.B4 IC7.B7 IC7.C2 IC7.D1 IC7.E6 IC7.G3 IC7.G6 IC9.A7 IC9.B4 IC9.B7 IC9.C2 IC9.D1 IC9.E6 IC9.G3 IC9.G6 J1.2 J1.3 J2.2 J2.3 J3.2 J3.3 J4.2 J4.3 J5.2 J5.10 J6.5 J6.12 J6.15 J6.18 J6.23 J6.24 J6.25 J6.26 J7.3 J7.4 J7.7 J7.10 J7.13 J7.16 J7.21 J7.22 J8.1 J8.2 J8.3 J8.4 J8.A1 J8.A12 J8.B1 J8.B12 R3.2 R7.2 R9.2 R11.2 R16.1 R21.1 R22.1 R35.1 R36.1 R37.1 R39.1 R42.1 R43.1 R47.1 R48.1 R49.1 R50.1 R51.1 R56.2 R58.1 R59.1 R60.2 R63.1 R64.1 R69.1 R70.1 R72.2 R73.2 R74.2 R75.2 R84.1 R85.1 U1.3 U2.3 U2.4 U2.18 U2.19 U2.24 U2.25 U2.29 U3.3 U4.1 U4.7 U4.17 U5.3 U6.1 U6.7 U6.17 U7.4 U8.5 U8.11 U9.1 U9.7 U9.17 U10.1 U10.7 U10.17 U11.3 U11.7 U11.12 U11.16 U11.19 U11.24 U11.25 U12.13
  other v1: 6.8,52.9 7.8,52.9 6.8,53.9 7.8,53.9
JTAG_TCK: IC1.D10 J5.1 R43.2
JTAG_TDI: IC1.E9 J5.9
JTAG_TDO: J5.3 R41.1
JTAG_TMS: IC1.D8 J5.5
JTAG_TRST: IC1.G10 J5.8 R51.2
LED1: D5.2 IC1.E2